# KiCad board ddr5-testboard.kicad_pcb (continued)
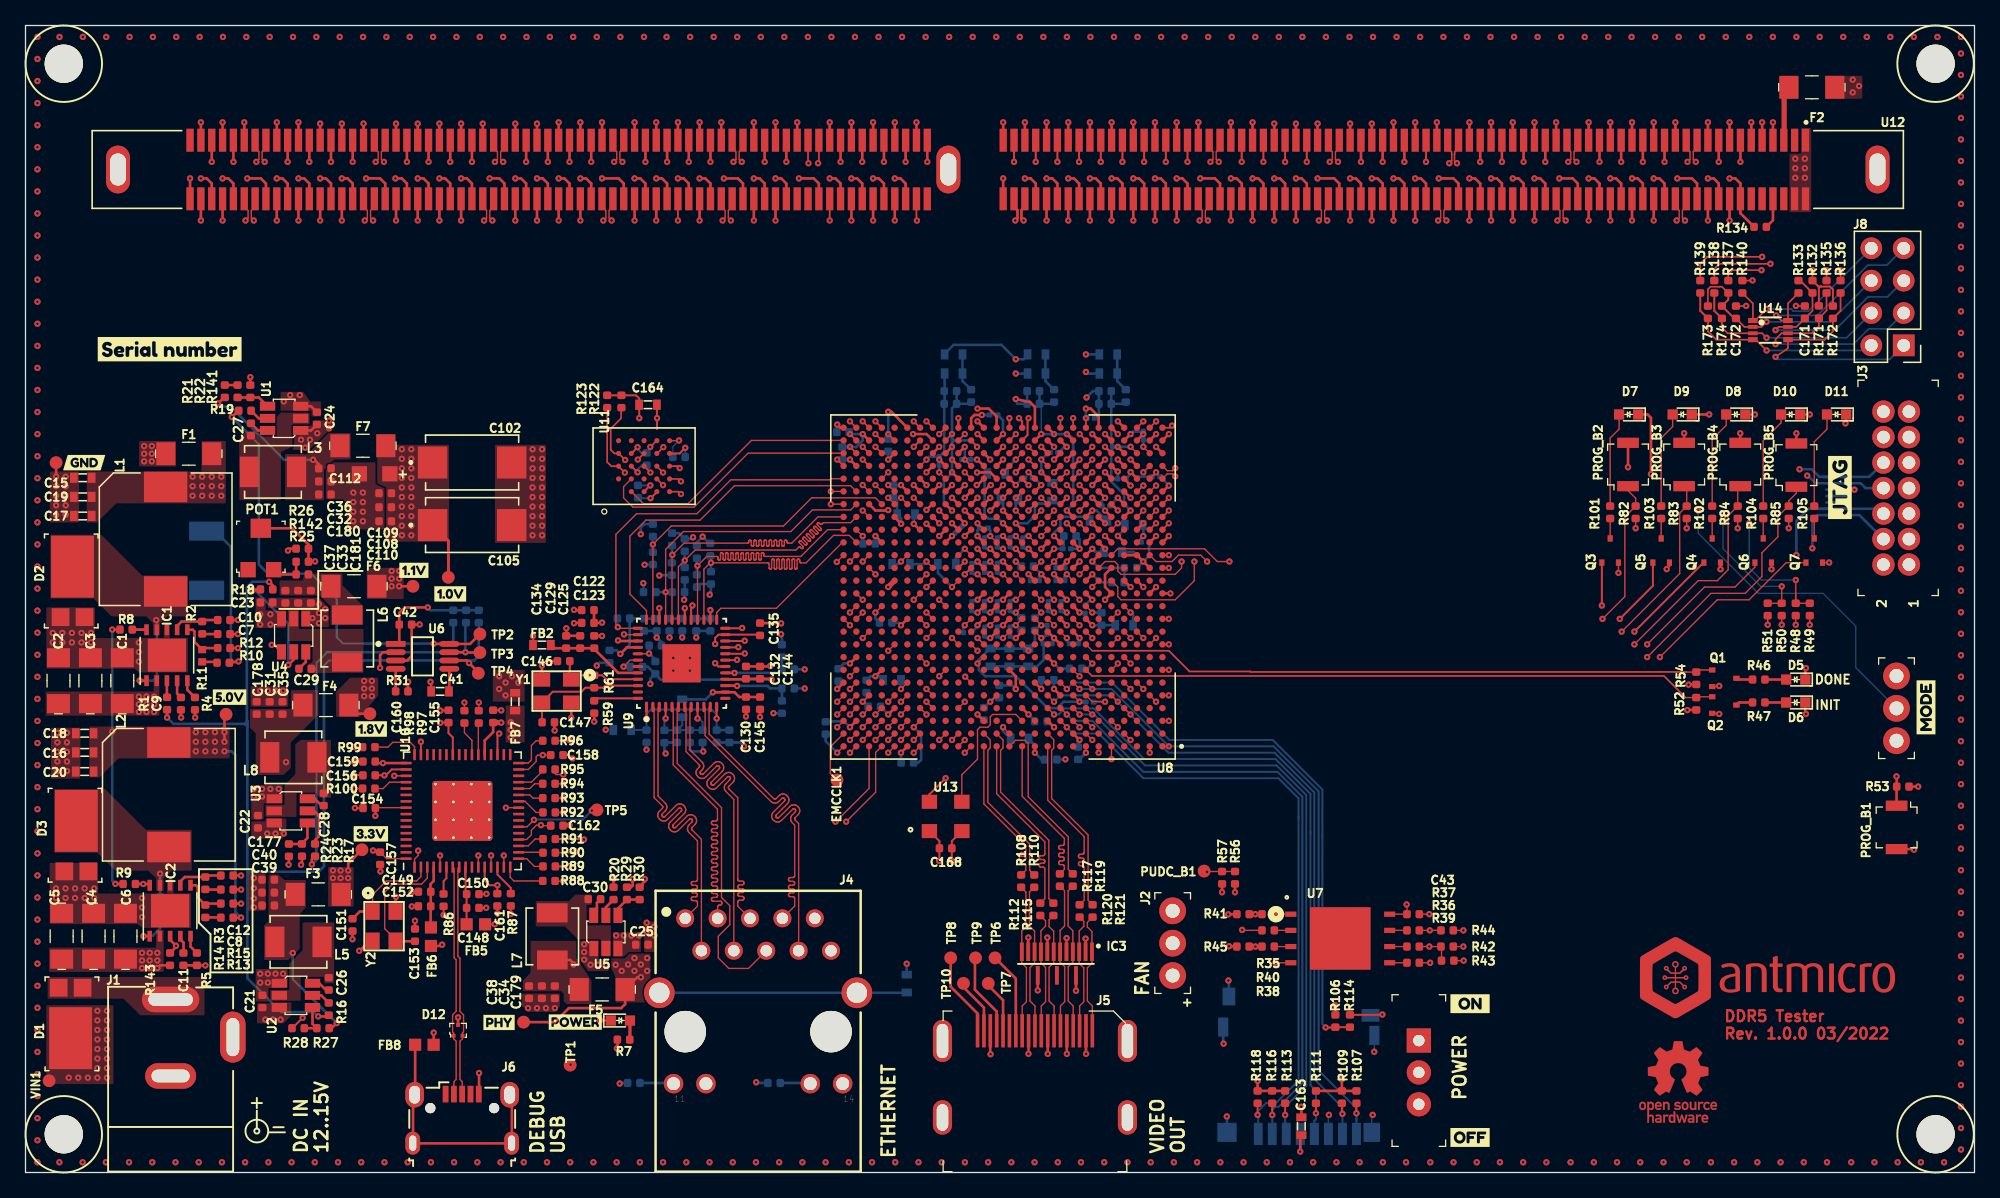
[diagram p0: board, top side]
## Routing (per net, layer and track width the routed paths; a pad name or vN(x,y) marks a point on that pad's centre or on a via; arc(x,y) is an arc through that point) (continued)
CA6_B: length 41.4
  Top w0.13: v4(77.64,57.94) U8.AE13
  Top w0.2: U12.82 v4(65.6,79.3)
  In2.Cu w0.127: v4(65.6,79.3) 65.6,78.8 65.6,78.77 65.59,78.74 65.57,78.72 65.55,78.7 65.53,78.69 65.5,78.68 65.47,78.67 65.39,78.67 65.36,78.67 65.33,78.66 65.31,78.65 65.29,78.63 65.27,78.6 65.26,78.57 65.26,78.55 65.26,78.52 65.27,78.49 65.29,78.47 65.31,78.45 65.33,78.43 65.36,78.42 65.39,78.42 65.81,78.42 65.84,78.42 65.87,78.41 65.89,78.39 65.91,78.37 65.93,78.35 65.94,78.32 65.94,78.29 65.94,78.26 65.93,78.24 65.91,78.21 65.89,78.19 65.87,78.18 65.84,78.17 65.81,78.16 65.39,78.16 65.36,78.16 65.33,78.15 65.31,78.14 65.29,78.12 65.27,78.09 65.26,78.07 65.26,78.04 65.26,78.01 65.27,77.98 65.29,77.96 65.31,77.94 65.33,77.92 65.36,77.91 65.39,77.91 65.81,77.91 65.84,77.91 65.87,77.9 65.89,77.88 65.91,77.86 65.93,77.84 65.94,77.81 65.94,77.78 65.94,77.76 65.93,77.73 65.91,77.7 65.89,77.68 65.87,77.67 65.84,77.66 65.81,77.66 65.39,77.66 65.36,77.65 65.33,77.64 65.31,77.63 65.29,77.61 65.27,77.59 65.26,77.56 65.26,77.53 65.26,77.5 65.27,77.47 65.29,77.45 65.31,77.43 65.33,77.42 65.36,77.41 65.39,77.4 65.81,77.4 65.84,77.4 65.87,77.39 65.89,77.38 65.91,77.36 65.93,77.33 65.94,77.3 65.94,77.28 65.94,77.25 65.93,77.22 65.91,77.2 65.89,77.18 65.87,77.16 65.84,77.15 65.81,77.15 65.39,77.15 65.36,77.15 65.33,77.14 65.31,77.12 65.29,77.1 65.27,77.08 65.26,77.05 65.26,77.02 65.26,76.99 65.27,76.97 65.29,76.94 65.31,76.92 65.33,76.91 65.36,76.9 65.39,76.9 65.81,76.9 65.84,76.89 65.87,76.88 65.89,76.87 65.91,76.85 65.93,76.82 65.94,76.8 65.94,76.77 65.94,76.74 65.93,76.71 65.91,76.69 65.89,76.67 65.87,76.65 65.84,76.64 65.81,76.64 65.39,76.64 65.36,76.64 65.33,76.63 65.31,76.61 65.29,76.59 65.27,76.57 65.26,76.54 65.26,76.51 65.26,76.49 65.27,76.46 65.29,76.43 65.31,76.41 65.33,76.4 65.36,76.39 65.39,76.39 65.81,76.39 65.84,76.38 65.87,76.37 65.89,76.36 65.91,76.34 65.93,76.32 65.94,76.29 65.94,76.26 65.94,76.23 65.93,76.2 65.91,76.18 65.89,76.16 65.87,76.15 65.84,76.14 65.81,76.13 65.39,76.13 65.36,76.13 65.33,76.12 65.31,76.11 65.29,76.09 65.27,76.06 65.26,76.03 65.26,76.01 65.26,75.98 65.27,75.95 65.29,75.93 65.31,75.91 65.33,75.89 65.36,75.88 65.39,75.88 65.47,75.88 65.5,75.88 65.53,75.87 65.55,75.85 65.57,75.83 65.59,75.81 65.6,75.78 65.6,75.75 65.6,71.48 66.39,70.69 74.56,70.69 79.14,66.11 79.14,58.69 78.89,58.44 78.14,58.44 v4(77.64,57.94)
CB0_A: length 36.4
  Top w0.13: U8.AB7 v3(83.64,54.94)
  Top w0.15: U12.51 v3(97.05,79.3)
  In5.Cu w0.127: v3(83.64,54.94) 83.89,54.94 84.39,55.44 84.89,55.44 85.14,55.69 85.14,57.05 87.52,59.44 93.74,59.44 97.05,62.75 v3(97.05,79.3)
CB0_B: length 51.7
  Top w0.127: v3(77.64,56.94) U8.AD13
  Top w0.2: U12.96 v3(53.7,79.3)
  In5.Cu w0.127: v3(77.64,56.94) 77.64,58.69 77.14,59.19 77.14,63.94 73.39,67.69 54.14,67.69 53.7,68.13 53.7,76.16 53.7,76.19 53.69,76.22 53.67,76.24 53.65,76.26 53.63,76.27 53.6,76.28 53.57,76.29 53.45,76.29 53.42,76.29 53.39,76.3 53.37,76.31 53.35,76.33 53.33,76.36 53.32,76.39 53.32,76.41 53.32,76.44 53.33,76.47 53.35,76.49 53.37,76.51 53.39,76.53 53.42,76.54 53.45,76.54 53.95,76.54 53.98,76.54 54.01,76.55 54.03,76.57 54.05,76.59 54.07,76.61 54.08,76.64 54.08,76.67 54.08,76.7 54.07,76.72 54.05,76.75 54.03,76.77 54.01,76.78 53.98,76.79 53.95,76.8 53.45,76.8 53.42,76.8 53.39,76.81 53.37,76.82 53.35,76.84 53.33,76.87 53.32,76.89 53.32,76.92 53.32,76.95 53.33,76.98 53.35,77 53.37,77.02 53.39,77.04 53.42,77.05 53.45,77.05 53.95,77.05 53.98,77.05 54.01,77.06 54.03,77.08 54.05,77.1 54.07,77.12 54.08,77.15 54.08,77.18 54.08,77.2 54.07,77.23 54.05,77.26 54.03,77.28 54.01,77.29 53.98,77.3 53.95,77.3 53.45,77.3 53.42,77.31 53.39,77.32 53.37,77.33 53.35,77.35 53.33,77.37 53.32,77.4 53.32,77.43 53.32,77.46 53.33,77.49 53.35,77.51 53.37,77.53 53.39,77.54 53.42,77.55 53.45,77.56 53.95,77.56 53.98,77.56 54.01,77.57 54.03,77.58 54.05,77.6 54.07,77.63 54.08,77.66 54.08,77.68 54.08,77.71 54.07,77.74 54.05,77.76 54.03,77.78 54.01,77.8 53.98,77.81 53.95,77.81 53.45,77.81 53.42,77.81 53.39,77.82 53.37,77.84 53.35,77.86 53.33,77.88 53.32,77.91 53.32,77.94 53.32,77.97 53.33,77.99 53.35,78.02 53.37,78.04 53.39,78.05 53.42,78.06 53.45,78.06 53.95,78.06 53.98,78.07 54.01,78.08 54.03,78.09 54.05,78.11 54.07,78.14 54.08,78.16 54.08,78.19 54.08,78.22 54.07,78.25 54.05,78.27 54.03,78.29 54.01,78.31 53.98,78.32 53.95,78.32 53.45,78.32 53.42,78.32 53.39,78.33 53.37,78.35 53.35,78.37 53.33,78.39 53.32,78.42 53.32,78.45 53.32,78.47 53.33,78.5 53.35,78.53 53.37,78.55 53.39,78.56 53.42,78.57 53.45,78.57 53.57,78.57 53.6,78.58 53.63,78.59 53.65,78.6 53.67,78.62 53.69,78.64 53.7,78.67 53.7,78.7 v3(53.7,79.3)
CB1_A: length 36.4
  Top w0.13: U8.AC7 v3(83.64,55.94)
  Top w0.15: U12.53 v3(95.35,79.3)
  In5.Cu w0.127: v3(95.35,79.3) 95.35,78.85 95.35,78.82 95.34,78.79 95.32,78.77 95.3,78.75 95.28,78.74 95.25,78.73 95.22,78.72 95.14,78.72 95.11,78.72 95.08,78.71 95.06,78.7 95.04,78.68 95.02,78.65 95.01,78.62 95.01,78.6 95.01,78.57 95.02,78.54 95.04,78.52 95.06,78.5 95.08,78.48 95.11,78.47 95.14,78.47 95.56,78.47 95.59,78.47 95.62,78.46 95.64,78.44 95.66,78.42 95.68,78.4 95.69,78.37 95.69,78.34 95.69,78.31 95.68,78.29 95.66,78.26 95.64,78.24 95.62,78.23 95.59,78.22 95.56,78.22 95.14,78.22 95.11,78.21 95.08,78.2 95.06,78.19 95.04,78.17 95.02,78.14 95.01,78.12 95.01,78.09 95.01,78.06 95.02,78.03 95.04,78.01 95.06,77.99 95.08,77.97 95.11,77.96 95.14,77.96 95.56,77.96 95.59,77.96 95.62,77.95 95.64,77.93 95.66,77.91 95.68,77.89 95.69,77.86 95.69,77.83 95.69,77.81 95.68,77.78 95.66,77.75 95.64,77.73 95.62,77.72 95.59,77.71 95.56,77.71 95.14,77.71 95.11,77.7 95.08,77.69 95.06,77.68 95.04,77.66 95.02,77.64 95.01,77.61 95.01,77.58 95.01,77.55 95.02,77.52 95.04,77.5 95.06,77.48 95.08,77.47 95.11,77.46 95.14,77.45 95.22,77.45 95.25,77.45 95.28,77.44 95.3,77.43 95.32,77.41 95.34,77.38 95.35,77.35 95.35,77.33 95.35,62.9 92.89,60.44 87.64,60.44 83.64,56.44 v3(83.64,55.94)
CB1_B: length 51.7
  Top w0.127: U8.AA12 v3(77.64,52.94)
  Top w0.2: U12.98 v3(52,79.3)
  In5.Cu w0.127: v3(52,79.3) 52,67.08 52.39,66.69 72.89,66.69 76.14,63.44 76.14,54.69 76.39,54.44 76.89,54.44 77.14,54.19 77.14,53.44 v3(77.64,52.94)
CB2_A: length 36.4
  Top w0.13: U8.AA7 v3(82.64,53.94)
  Top w0.2: U12.196 v3(96.2,74.7)
  In5.Cu w0.127: v3(96.2,74.7) 96.2,74.2 96.2,74.17 96.19,74.14 96.17,74.12 96.15,74.1 96.13,74.09 96.1,74.08 96.07,74.07 95.97,74.07 95.94,74.07 95.91,74.06 95.89,74.05 95.87,74.03 95.85,74 95.84,73.97 95.84,73.95 95.84,73.92 95.85,73.89 95.87,73.87 95.89,73.85 95.91,73.83 95.94,73.82 95.97,73.82 96.43,73.82 96.46,73.82 96.49,73.81 96.51,73.79 96.53,73.77 96.55,73.75 96.56,73.72 96.56,73.69 96.56,73.66 96.55,73.64 96.53,73.61 96.51,73.59 96.49,73.58 96.46,73.57 96.43,73.56 95.97,73.56 95.94,73.56 95.91,73.55 95.89,73.54 95.87,73.52 95.85,73.49 95.84,73.47 95.84,73.44 95.84,73.41 95.85,73.38 95.87,73.36 95.89,73.34 95.91,73.32 95.94,73.31 95.97,73.31 96.43,73.31 96.46,73.31 96.49,73.3 96.51,73.28 96.53,73.26 96.55,73.24 96.56,73.21 96.56,73.18 96.56,73.16 96.55,73.13 96.53,73.1 96.51,73.08 96.49,73.07 96.46,73.06 96.43,73.06 95.97,73.06 95.94,73.05 95.91,73.04 95.89,73.03 95.87,73.01 95.85,72.99 95.84,72.96 95.84,72.93 95.84,72.9 95.85,72.87 95.87,72.85 95.89,72.83 95.91,72.82 95.94,72.81 95.97,72.8 96.43,72.8 96.46,72.8 96.49,72.79 96.51,72.78 96.53,72.76 96.55,72.73 96.56,72.7 96.56,72.68 96.56,72.65 96.55,72.62 96.53,72.6 96.51,72.58 96.49,72.56 96.46,72.55 96.43,72.55 95.97,72.55 95.94,72.55 95.91,72.54 95.89,72.52 95.87,72.5 95.85,72.48 95.84,72.45 95.84,72.42 95.84,72.39 95.85,72.37 95.87,72.34 95.89,72.32 95.91,72.31 95.94,72.3 95.97,72.3 96.07,72.3 96.1,72.29 96.13,72.28 96.15,72.27 96.17,72.25 96.19,72.22 96.2,72.2 96.2,72.17 96.2,63 93.14,59.94 87.64,59.94 84.14,56.44 84.14,55.69 83.89,55.44 83.39,55.44 83.14,55.19 83.14,54.44 v3(82.64,53.94)
CB2_B: length 51.7
  Top w0.127: U8.AC13 v3(76.64,54.94)
  Top w0.2: U12.241 v3(52.85,74.7)
  In5.Cu w0.127: v3(76.64,54.94) U8.AC13 77.14,58.44 76.64,58.94 76.64,63.69 73.14,67.19 53.39,67.19 52.85,67.73 52.85,70.85 52.85,70.88 52.86,70.9 52.88,70.93 52.9,70.95 52.92,70.96 52.95,70.97 52.98,70.97 53.1,70.97 53.13,70.98 53.16,70.99 53.18,71 53.2,71.02 53.22,71.05 53.23,71.07 53.23,71.1 53.23,71.13 53.22,71.16 53.2,71.18 53.18,71.2 53.16,71.22 53.13,71.23 53.1,71.23 52.6,71.23 52.57,71.23 52.54,71.24 52.52,71.26 52.5,71.28 52.48,71.3 52.47,71.33 52.47,71.36 52.47,71.38 52.48,71.41 52.5,71.44 52.52,71.46 52.54,71.47 52.57,71.48 52.6,71.48 53.1,71.48 53.13,71.49 53.16,71.5 53.18,71.51 53.2,71.53 53.22,71.55 53.23,71.58 53.23,71.61 53.23,71.64 53.22,71.67 53.2,71.69 53.18,71.71 53.16,71.72 53.13,71.73 53.1,71.74 52.6,71.74 52.57,71.74 52.54,71.75 52.52,71.76 52.5,71.78 52.48,71.81 52.47,71.84 52.47,71.86 52.47,71.89 52.48,71.92 52.5,71.94 52.52,71.96 52.54,71.98 52.57,71.99 52.6,71.99 53.1,71.99 53.13,71.99 53.16,72 53.18,72.02 53.2,72.04 53.22,72.06 53.23,72.09 53.23,72.12 53.23,72.15 53.22,72.17 53.2,72.2 53.18,72.22 53.16,72.23 53.13,72.24 53.1,72.25 52.6,72.25 52.57,72.25 52.54,72.26 52.52,72.27 52.5,72.29 52.48,72.32 52.47,72.34 52.47,72.37 52.47,72.4 52.48,72.43 52.5,72.45 52.52,72.47 52.54,72.49 52.57,72.5 52.6,72.5 53.1,72.5 53.13,72.5 53.16,72.51 53.18,72.53 53.2,72.55 53.22,72.57 53.23,72.6 53.23,72.63 53.23,72.65 53.22,72.68 53.2,72.71 53.18,72.73 53.16,72.74 53.13,72.75 53.1,72.75 52.6,72.75 52.57,72.76 52.54,72.77 52.52,72.78 52.5,72.8 52.48,72.82 52.47,72.85 52.47,72.88 52.47,72.91 52.48,72.94 52.5,72.96 52.52,72.98 52.54,72.99 52.57,73 52.6,73.01 53.1,73.01 53.13,73.01 53.16,73.02 53.18,73.03 53.2,73.05 53.22,73.08 53.23,73.11 53.23,73.13 53.23,73.16 53.22,73.19 53.2,73.21 53.18,73.23 53.16,73.25 53.13,73.26 53.1,73.26 52.6,73.26 52.57,73.26 52.54,73.27 52.52,73.29 52.5,73.31 52.48,73.33 52.47,73.36 52.47,73.39 52.47,73.42 52.48,73.44 52.5,73.47 52.52,73.49 52.54,73.5 52.57,73.51 52.6,73.52 53.1,73.52 53.13,73.52 53.16,73.53 53.18,73.54 53.2,73.56 53.22,73.59 53.23,73.61 53.23,73.64 53.23,73.67 53.22,73.7 53.2,73.72 53.18,73.74 53.16,73.76 53.13,73.77 53.1,73.77 52.6,73.77 52.57,73.77 52.54,73.78 52.52,73.8 52.5,73.82 52.48,73.84 52.47,73.87 52.47,73.9 52.47,73.92 52.48,73.95 52.5,73.98 52.52,74 52.54,74.01 52.57,74.02 52.6,74.02 52.72,74.02 52.75,74.03 52.78,74.04 52.8,74.05 52.82,74.07 52.84,74.09 52.85,74.12 52.85,74.15 v3(52.85,74.7)
CB3_A: length 36.4
  Top w0.13: U8.AB9 v3(81.64,54.94)
  Top w0.2: U12.198 v3(94.5,74.7)
  In5.Cu w0.127: v3(94.5,74.7) 94.5,74.2 94.5,74.17 94.49,74.14 94.47,74.12 94.45,74.1 94.43,74.09 94.4,74.08 94.37,74.07 94.26,74.07 94.23,74.07 94.2,74.06 94.18,74.05 94.16,74.03 94.14,74 94.13,73.97 94.13,73.95 94.13,73.92 94.14,73.89 94.16,73.87 94.18,73.85 94.2,73.83 94.23,73.82 94.26,73.82 94.74,73.82 94.77,73.82 94.8,73.81 94.82,73.79 94.84,73.77 94.86,73.75 94.87,73.72 94.87,73.69 94.87,73.66 94.86,73.64 94.84,73.61 94.82,73.59 94.8,73.58 94.77,73.57 94.74,73.56 94.26,73.56 94.23,73.56 94.2,73.55 94.18,73.54 94.16,73.52 94.14,73.49 94.13,73.47 94.13,73.44 94.13,73.41 94.14,73.38 94.16,73.36 94.18,73.34 94.2,73.32 94.23,73.31 94.26,73.31 94.74,73.31 94.77,73.31 94.8,73.3 94.82,73.28 94.84,73.26 94.86,73.24 94.87,73.21 94.87,73.18 94.87,73.16 94.86,73.13 94.84,73.1 94.82,73.08 94.8,73.07 94.77,73.06 94.74,73.06 94.26,73.06 94.23,73.05 94.2,73.04 94.18,73.03 94.16,73.01 94.14,72.99 94.13,72.96 94.13,72.93 94.13,72.9 94.14,72.87 94.16,72.85 94.18,72.83 94.2,72.82 94.23,72.81 94.26,72.8 94.74,72.8 94.77,72.8 94.8,72.79 94.82,72.78 94.84,72.76 94.86,72.73 94.87,72.7 94.87,72.68 94.87,72.65 94.86,72.62 94.84,72.6 94.82,72.58 94.8,72.56 94.77,72.55 94.74,72.55 94.26,72.55 94.23,72.55 94.2,72.54 94.18,72.52 94.16,72.5 94.14,72.48 94.13,72.45 94.13,72.42 94.13,72.39 94.14,72.37 94.16,72.34 94.18,72.32 94.2,72.31 94.23,72.3 94.26,72.3 94.74,72.3 94.77,72.29 94.8,72.28 94.82,72.27 94.84,72.25 94.86,72.22 94.87,72.2 94.87,72.17 94.87,72.14 94.86,72.11 94.84,72.09 94.82,72.07 94.8,72.05 94.77,72.04 94.74,72.04 94.26,72.04 94.23,72.04 94.2,72.03 94.18,72.01 94.16,71.99 94.14,71.97 94.13,71.94 94.13,71.91 94.13,71.89 94.14,71.86 94.16,71.83 94.18,71.81 94.2,71.8 94.23,71.79 94.26,71.79 94.37,71.79 94.4,71.78 94.43,71.77 94.45,71.76 94.47,71.74 94.49,71.72 94.5,71.69 94.5,71.66 94.5,62.8 92.64,60.94 87.64,60.94 83.14,56.44 83.14,55.69 82.89,55.44 82.14,55.44 v3(81.64,54.94)
CB3_B: length 51.7
  Top w0.127: U8.AA13 v3(76.64,52.94)
  Top w0.13: U12.243 v3(51.15,74.7)
  In5.Cu w0.127: v3(76.64,52.94) 76.22,53.35 76.22,54.1 75.64,54.69 75.64,63.19 72.64,66.19 51.64,66.19 51.15,66.68 51.15,71.92 51.15,71.95 51.14,71.97 51.12,72 51.1,72.02 51.08,72.03 51.05,72.04 51.02,72.05 50.88,72.05 50.85,72.05 50.83,72.06 50.8,72.07 50.78,72.09 50.77,72.12 50.76,72.14 50.75,72.17 50.76,72.2 50.77,72.23 50.78,72.25 50.8,72.27 50.83,72.29 50.85,72.3 50.88,72.3 51.42,72.3 51.45,72.3 51.47,72.31 51.5,72.33 51.52,72.35 51.53,72.37 51.54,72.4 51.55,72.43 51.54,72.45 51.53,72.48 51.52,72.51 51.5,72.53 51.47,72.54 51.45,72.55 51.42,72.55 50.88,72.55 50.85,72.56 50.83,72.57 50.8,72.58 50.78,72.6 50.77,72.62 50.76,72.65 50.75,72.68 50.76,72.71 50.77,72.74 50.78,72.76 50.8,72.78 50.83,72.79 50.85,72.8 50.88,72.81 51.42,72.81 51.45,72.81 51.47,72.82 51.5,72.83 51.52,72.85 51.53,72.88 51.54,72.91 51.55,72.93 51.54,72.96 51.53,72.99 51.52,73.01 51.5,73.03 51.47,73.05 51.45,73.06 51.42,73.06 50.88,73.06 50.85,73.06 50.83,73.07 50.8,73.09 50.78,73.11 50.77,73.13 50.76,73.16 50.75,73.19 50.76,73.22 50.77,73.24 50.78,73.27 50.8,73.29 50.83,73.3 50.85,73.31 50.88,73.31 51.42,73.31 51.45,73.32 51.47,73.33 51.5,73.34 51.52,73.36 51.53,73.39 51.54,73.41 51.55,73.44 51.54,73.47 51.53,73.5 51.52,73.52 51.5,73.54 51.47,73.56 51.45,73.57 51.42,73.57 50.88,73.57 50.85,73.57 50.83,73.58 50.8,73.6 50.78,73.62 50.77,73.64 50.76,73.67 50.75,73.7 50.76,73.72 50.77,73.75 50.78,73.78 50.8,73.8 50.83,73.81 50.85,73.82 50.88,73.82 51.02,73.82 51.05,73.83 51.08,73.84 51.1,73.85 51.12,73.87 51.14,73.89 51.15,73.92 51.15,73.95 v3(51.15,74.7)
CB4_A: length 36.4
  Top w0.13: v3(82.65,57.94) 83.14,57.45 U8.AE7
  Top w0.15: U12.58 v3(91.1,79.3)
  In5.Cu w0.127: v3(91.1,79.3) 91.1,78.8 91.1,78.77 91.09,78.74 91.07,78.72 91.05,78.7 91.03,78.69 91,78.68 90.97,78.67 90.84,78.67 90.81,78.67 90.79,78.66 90.76,78.65 90.74,78.63 90.73,78.6 90.72,78.57 90.72,78.55 90.72,78.52 90.73,78.49 90.74,78.47 90.76,78.45 90.79,78.43 90.81,78.42 90.84,78.42 91.36,78.42 91.39,78.42 91.41,78.41 91.44,78.39 91.46,78.37 91.47,78.35 91.48,78.32 91.48,78.29 91.48,78.26 91.47,78.24 91.46,78.21 91.44,78.19 91.41,78.18 91.39,78.17 91.36,78.16 90.84,78.16 90.81,78.16 90.79,78.15 90.76,78.14 90.74,78.12 90.73,78.09 90.72,78.07 90.72,78.04 90.72,78.01 90.73,77.98 90.74,77.96 90.76,77.94 90.79,77.92 90.81,77.91 90.84,77.91 91.36,77.91 91.39,77.91 91.41,77.9 91.44,77.88 91.46,77.86 91.47,77.84 91.48,77.81 91.48,77.78 91.48,77.76 91.47,77.73 91.46,77.7 91.44,77.68 91.41,77.67 91.39,77.66 91.36,77.66 90.84,77.66 90.81,77.65 90.79,77.64 90.76,77.63 90.74,77.61 90.73,77.59 90.72,77.56 90.72,77.53 90.72,77.5 90.73,77.47 90.74,77.45 90.76,77.43 90.79,77.42 90.81,77.41 90.84,77.4 91.36,77.4 91.39,77.4 91.41,77.39 91.44,77.38 91.46,77.36 91.47,77.33 91.48,77.3 91.48,77.28 91.48,77.25 91.47,77.22 91.46,77.2 91.44,77.18 91.41,77.16 91.39,77.15 91.36,77.15 90.84,77.15 90.81,77.15 90.79,77.14 90.76,77.12 90.74,77.1 90.73,77.08 90.72,77.05 90.72,77.02 90.72,76.99 90.73,76.97 90.74,76.94 90.76,76.92 90.79,76.91 90.81,76.9 90.84,76.9 91.36,76.9 91.39,76.89 91.41,76.88 91.44,76.87 91.46,76.85 91.47,76.82 91.48,76.8 91.48,76.77 91.48,76.74 91.47,76.71 91.46,76.69 91.44,76.67 91.41,76.65 91.39,76.64 91.36,76.64 90.84,76.64 90.81,76.64 90.79,76.63 90.76,76.61 90.74,76.59 90.73,76.57 90.72,76.54 90.72,76.51 90.72,76.49 90.73,76.46 90.74,76.43 90.76,76.41 90.79,76.4 90.81,76.39 90.84,76.39 91.36,76.39 91.39,76.38 91.41,76.37 91.44,76.36 91.46,76.34 91.47,76.32 91.48,76.29 91.48,76.26 91.48,76.23 91.47,76.2 91.46,76.18 91.44,76.16 91.41,76.15 91.39,76.14 91.36,76.13 90.84,76.13 90.81,76.13 90.79,76.12 90.76,76.11 90.74,76.09 90.73,76.06 90.72,76.03 90.72,76.01 90.72,75.98 90.73,75.95 90.74,75.93 90.76,75.91 90.79,75.89 90.81,75.88 90.84,75.88 90.97,75.88 91,75.88 91.03,75.87 91.05,75.85 91.07,75.83 91.09,75.81 91.1,75.78 91.1,75.75 91.1,62.9 90.64,62.44 87.14,62.44 82.65,57.95 v3(82.65,57.94)
CB4_B: length 51.7
  Top w0.13: 80.14,54.45 U8.AB10 v3(79.64,54.94)
  Top w0.2: U12.89 v3(59.65,79.3)
  In5.Cu w0.127: v3(79.64,54.94) 79.14,55.44 79.14,56.19 80.39,57.44 80.39,58.31 80.64,58.56 80.64,65.19 75.64,70.19 59.91,70.19 59.65,70.45 59.65,76.06 59.65,76.08 59.66,76.11 59.68,76.14 59.7,76.16 59.72,76.17 59.75,76.18 59.78,76.18 59.89,76.18 59.92,76.19 59.95,76.2 59.97,76.21 59.99,76.23 60.01,76.25 60.02,76.28 60.02,76.31 60.02,76.34 60.01,76.37 59.99,76.39 59.97,76.41 59.95,76.42 59.92,76.43 59.89,76.44 59.41,76.44 59.38,76.44 59.35,76.45 59.33,76.46 59.31,76.48 59.29,76.51 59.28,76.54 59.28,76.56 59.28,76.59 59.29,76.62 59.31,76.64 59.33,76.66 59.35,76.68 59.38,76.69 59.41,76.69 59.89,76.69 59.92,76.69 59.95,76.7 59.97,76.72 59.99,76.74 60.01,76.76 60.02,76.79 60.02,76.82 60.02,76.85 60.01,76.87 59.99,76.9 59.97,76.92 59.95,76.93 59.92,76.94 59.89,76.94 59.41,76.94 59.38,76.95 59.35,76.96 59.33,76.97 59.31,76.99 59.29,77.02 59.28,77.04 59.28,77.07 59.28,77.1 59.29,77.13 59.31,77.15 59.33,77.17 59.35,77.19 59.38,77.2 59.41,77.2 59.89,77.2 59.92,77.2 59.95,77.21 59.97,77.23 59.99,77.25 60.01,77.27 60.02,77.3 60.02,77.33 60.02,77.35 60.01,77.38 59.99,77.41 59.97,77.43 59.95,77.44 59.92,77.45 59.89,77.45 59.41,77.45 59.38,77.46 59.35,77.47 59.33,77.48 59.31,77.5 59.29,77.52 59.28,77.55 59.28,77.58 59.28,77.61 59.29,77.64 59.31,77.66 59.33,77.68 59.35,77.69 59.38,77.7 59.41,77.71 59.89,77.71 59.92,77.71 59.95,77.72 59.97,77.73 59.99,77.75 60.01,77.78 60.02,77.81 60.02,77.83 60.02,77.86 60.01,77.89 59.99,77.91 59.97,77.93 59.95,77.95 59.92,77.96 59.89,77.96 59.41,77.96 59.38,77.96 59.35,77.97 59.33,77.99 59.31,78.01 59.29,78.03 59.28,78.06 59.28,78.09 59.28,78.12 59.29,78.14 59.31,78.17 59.33,78.19 59.35,78.2 59.38,78.21 59.41,78.22 59.89,78.22 59.92,78.22 59.95,78.23 59.97,78.24 59.99,78.26 60.01,78.29 60.02,78.31 60.02,78.34 60.02,78.37 60.01,78.4 59.99,78.42 59.97,78.44 59.95,78.46 59.92,78.47 59.89,78.47 59.41,78.47 59.38,78.47 59.35,78.48 59.33,78.5 59.31,78.52 59.29,78.54 59.28,78.57 59.28,78.6 59.28,78.62 59.29,78.65 59.31,78.68 59.33,78.7 59.35,78.71 59.38,78.72 59.41,78.72 59.52,78.72 59.55,78.73 59.58,78.74 59.6,78.75 59.62,78.77 59.64,78.79 59.65,78.82 59.65,78.85 v3(59.65,79.3)
CB5_A: length 36.4
  Top w0.13: U8.AA8 v3(81.64,53.94)
  Top w0.15: U12.60 v3(89.4,79.3)
  In5.Cu w0.127: v3(81.64,53.94) 81.14,54.44 81.14,57.31 82.14,58.31 82.14,60.44 85.14,63.44 89.14,63.44 89.4,63.7 89.4,77.28 89.4,77.3 89.39,77.33 89.37,77.36 89.35,77.38 89.33,77.39 89.3,77.4 89.27,77.4 89.19,77.4 89.16,77.41 89.14,77.42 89.11,77.43 89.09,77.45 89.08,77.47 89.07,77.5 89.06,77.53 89.07,77.56 89.08,77.59 89.09,77.61 89.11,77.63 89.14,77.64 89.16,77.65 89.19,77.66 89.61,77.66 89.64,77.66 89.66,77.67 89.69,77.68 89.71,77.7 89.72,77.73 89.73,77.76 89.74,77.78 89.73,77.81 89.72,77.84 89.71,77.86 89.69,77.88 89.66,77.9 89.64,77.91 89.61,77.91 89.19,77.91 89.16,77.91 89.14,77.92 89.11,77.94 89.09,77.96 89.08,77.98 89.07,78.01 89.06,78.04 89.07,78.07 89.08,78.09 89.09,78.12 89.11,78.14 89.14,78.15 89.16,78.16 89.19,78.16 89.61,78.16 89.64,78.17 89.66,78.18 89.69,78.19 89.71,78.21 89.72,78.24 89.73,78.26 89.74,78.29 89.73,78.32 89.72,78.35 89.71,78.37 89.69,78.39 89.66,78.41 89.64,78.42 89.61,78.42 89.19,78.42 89.16,78.42 89.14,78.43 89.11,78.45 89.09,78.47 89.08,78.49 89.07,78.52 89.06,78.55 89.07,78.57 89.08,78.6 89.09,78.63 89.11,78.65 89.14,78.66 89.16,78.67 89.19,78.67 89.27,78.67 89.3,78.68 89.33,78.69 89.35,78.7 89.37,78.72 89.39,78.74 89.4,78.77 89.4,78.8 v3(89.4,79.3)
CB5_B: length 51.7
  Top w0.13: U8.AD11 v3(78.64,56.94)
  Top w0.2: U12.91 v3(57.95,79.3)
  In5.Cu w0.127: v3(57.95,79.3) 57.95,78.75 57.95,78.72 57.94,78.69 57.92,78.67 57.9,78.65 57.88,78.64 57.85,78.63 57.82,78.62 57.7,78.62 57.67,78.62 57.65,78.61 57.62,78.6 57.6,78.58 57.59,78.55 57.58,78.52 57.58,78.5 57.58,78.47 57.59,78.44 57.6,78.42 57.62,78.4 57.65,78.38 57.67,78.37 57.7,78.37 58.2,78.37 58.23,78.37 58.25,78.36 58.28,78.34 58.3,78.32 58.31,78.3 58.32,78.27 58.32,78.24 58.32,78.21 58.31,78.19 58.3,78.16 58.28,78.14 58.25,78.13 58.23,78.12 58.2,78.12 57.7,78.12 57.67,78.11 57.65,78.1 57.62,78.09 57.6,78.07 57.59,78.04 57.58,78.02 57.58,77.99 57.58,77.96 57.59,77.93 57.6,77.91 57.62,77.89 57.65,77.87 57.67,77.86 57.7,77.86 58.2,77.86 58.23,77.86 58.25,77.85 58.28,77.83 58.3,77.81 58.31,77.79 58.32,77.76 58.32,77.73 58.32,77.71 58.31,77.68 58.3,77.65 58.28,77.63 58.25,77.62 58.23,77.61 58.2,77.61 57.7,77.61 57.67,77.6 57.65,77.59 57.62,77.58 57.6,77.56 57.59,77.54 57.58,77.51 57.58,77.48 57.58,77.45 57.59,77.42 57.6,77.4 57.62,77.38 57.65,77.37 57.67,77.36 57.7,77.35 58.2,77.35 58.23,77.35 58.25,77.34 58.28,77.33 58.3,77.31 58.31,77.28 58.32,77.25 58.32,77.23 58.32,77.2 58.31,77.17 58.3,77.15 58.28,77.13 58.25,77.11 58.23,77.1 58.2,77.1 57.7,77.1 57.67,77.1 57.65,77.09 57.62,77.07 57.6,77.05 57.59,77.03 57.58,77 57.58,76.97 57.58,76.94 57.59,76.92 57.6,76.89 57.62,76.87 57.65,76.86 57.67,76.85 57.7,76.84 58.2,76.84 58.23,76.84 58.25,76.83 58.28,76.82 58.3,76.8 58.31,76.77 58.32,76.75 58.32,76.72 58.32,76.69 58.31,76.66 58.3,76.64 58.28,76.62 58.25,76.6 58.23,76.59 58.2,76.59 57.7,76.59 57.67,76.59 57.65,76.58 57.62,76.56 57.6,76.54 57.59,76.52 57.58,76.49 57.58,76.46 57.58,76.44 57.59,76.41 57.6,76.38 57.62,76.36 57.65,76.35 57.67,76.34 57.7,76.34 58.2,76.34 58.23,76.33 58.25,76.32 58.28,76.31 58.3,76.29 58.31,76.27 58.32,76.24 58.32,76.21 58.32,76.18 58.31,76.15 58.3,76.13 58.28,76.11 58.25,76.1 58.23,76.09 58.2,76.08 57.7,76.08 57.67,76.08 57.65,76.07 57.62,76.06 57.6,76.04 57.59,76.01 57.58,75.98 57.58,75.96 57.58,75.93 57.59,75.9 57.6,75.88 57.62,75.86 57.65,75.84 57.67,75.83 57.7,75.83 58.2,75.83 58.23,75.83 58.25,75.82 58.28,75.8 58.3,75.78 58.31,75.76 58.32,75.73 58.32,75.7 58.32,75.67 58.31,75.65 58.3,75.62 58.28,75.6 58.25,75.59 58.23,75.58 58.2,75.58 58.08,75.58 58.05,75.57 58.02,75.56 58,75.55 57.98,75.53 57.96,75.5 57.95,75.48 57.95,75.45 57.95,69.38 58.14,69.19 75.14,69.19 79.64,64.69 79.64,58.94 78.64,57.94 v3(78.64,56.94)
